# Altium PCB FMC_ADC_130M_16B_4CH.PcbDoc (part 6 of 8) (continued)
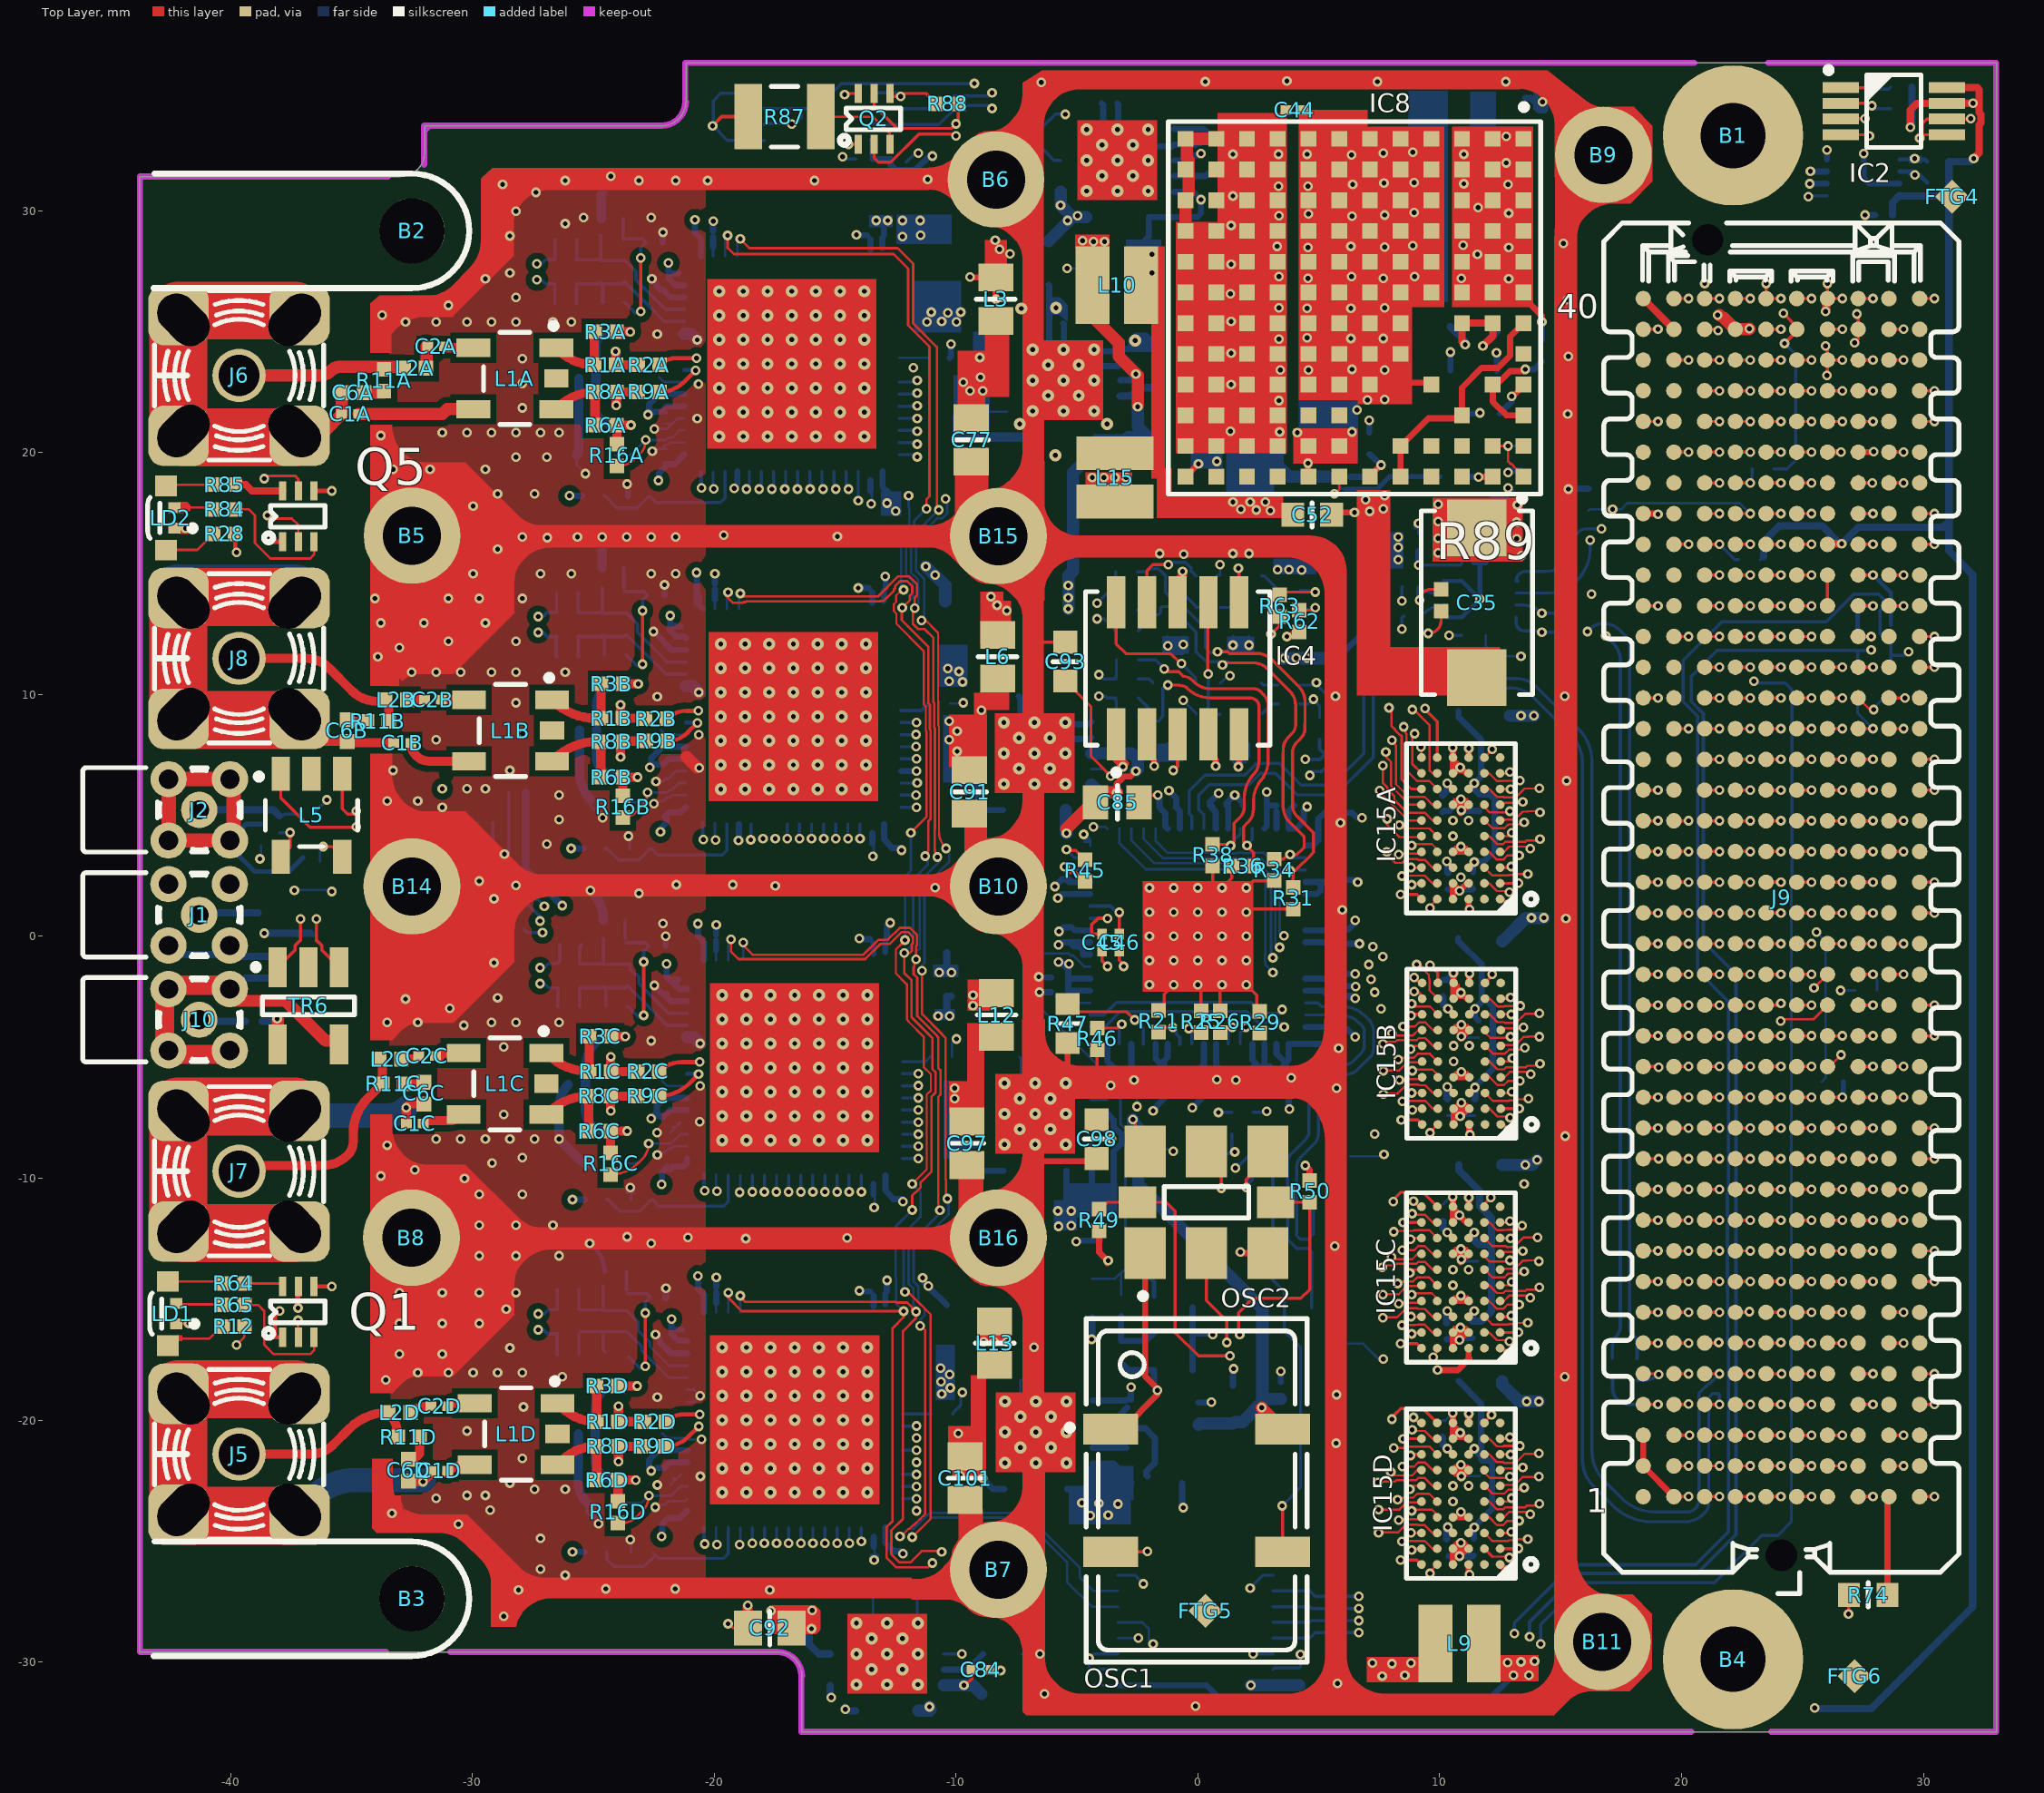
[diagram p0: Top Layer view]
## Nets (pads, with @x,y where several pads share a name; then routed paths per layer and width w, separated by ;. In a path a pad name is that pad's centre, name@x,y a point inside that pad or via, vN(x,y) a via of type N, cw(c..) or ccw(c..) an arc to the next point about the centre after c; other vN are vias at no path point) (continued)
  Top Layer w0.5: TR6.6@-38.049,-4.46 v1@-38.049,-3.429
  Bottom Layer w0.102: v1@-38.176,-3.505 v1(-38.075,-3.404)
  Bottom Layer w0.3: C48.1@-38.69,-3.505 v1@-38.176,-3.505
NetC55_2: C55.2 IC3.6 R53.1 R55.2 | length 19.8
  Bottom Layer w0.102: IC3.6@-4.45,-1.25 -4.702,-1.25 -5.162,-0.791 -5.255,-0.791 -5.337,-0.708 -6.499,-0.708 -6.996,-1.206 -6.996,-2.475 -3.826,-5.645 -3.826,-5.724 -3.805,-5.745 -3.737,-5.813 -3.483,-5.813 -3.477,-5.82 -3.461,-5.82 -3.2,-6.08 -3.2,-7.762 -2.873,-8.089 -2.873,-8.675 -2.997,-8.799 -2.997,-13.749 R55.2@-3.117,-13.868 ; C55.2@-4.369,-14.161 -3.442,-14.161 R55.2@-3.2,-13.919 ; R53.1@-3.175,-14.823 R55.2@-3.175,-13.919
NetC56_2: C56.2 R53.2 R54.2 | length 2.6
  Bottom Layer w0.254: R53.2@-3.175,-15.697 R53.2@-3.175,-15.723 -3.175,-16.728 -2.148,-16.728 C56.2@-1.778,-16.358
NetC58_2: C58.2 R55.1 | length 1.2
  Bottom Layer w0.178: R55.1@-2.217,-13.868 -1.816,-14.269 C58.2@-1.816,-14.91
NetC73_1: C73.1 IC8.A9 | length 1.6
  Top Layer w0.254: v1(12.979,22.327) 13.03,22.327 13.462,22.758 IC8.A9@13.462,22.809
  Bottom Layer w0.254: C73.1@12.484,21.615 12.979,22.111 v1(12.979,22.327)
NetC77_2: C77.2 IC6.1 IC6.3 IC6.20 L3.1 | length 2.5
  Bottom Layer w0.102: -8.966,21.692 -8.962,21.687 IC6.1@-7.913,21.687 ; -8.788,22.987 IC6.3@-7.913,22.987 ; -7.4,20.625 -7.388,20.637 IC6.20@-6.863,20.637
  other v1: -9.423,22.555 -8.89,22.555 -9.703,22.911 -8.992,23.114 -9.017,23.927
NetC78_2: C78.2 IC7.1 IC7.3 IC7.20 L7.1 | length 8
  Bottom Layer w0.127: IC7.3@-5.677,32.08 -5.944,32.08 -6.502,32.639 -6.502,33.376 -6.367,33.511 -6.367,33.521 -6.168,33.72 -6.158,33.72 -5.893,33.985 v1(-5.486,33.985) ; v1(3.759,15.164) v1@4.191,15.164 ; v1(4.293,15.138) 4.267,15.164 v1@4.191,15.164 ; L7.1@5.247,15.57 4.597,15.57 v1@4.191,15.164
  Bottom Layer w0.508: C78.2@-6.172,28.738 -5.18,29.73 ; IC7.1@-5.677,30.78 v1(-5.677,30.227) -5.18,29.73 ; IC7.20@-4.627,29.73 -5.18,29.73
  other v1: 3.302,15.164 -5.385,29.591 -4.978,29.794
NetC79_2: C79.2 IC6.14 | length 1.8
  Bottom Layer w0.305: IC6.14@-3.213,22.337 -2.765,22.337 -2.7,22.403 -2.591,22.403 -2.311,22.682 -1.892,22.682 C79.2@-1.676,22.898
NetC80_2: C80.2 IC7.14 | length 1.5
  Bottom Layer w0.254: IC7.14@-0.977,31.43 0.328,31.43 C80.2@0.457,31.56
NetC84_2: C84.2 C86.2 IC10.13 IC10.15 IC10.16 L9.2 | length 3.9
  Top Layer w0.127: v1(-9.677,-30.967) -9.626,-30.967 -9.336,-30.678 C84.2@-9.336,-30.328
  Bottom Layer w0.127: IC10.13@-10.502,-29.667 v1(-9.754,-29.667)
  Bottom Layer w0.508: IC10.16@-11.552,-32.017 -11.088,-32.017 -11.049,-31.979 -11.1,-31.928 v1(-11.1,-31.852) ; IC10.15@-10.502,-30.967 v1(-9.677,-30.967) -9.303,-30.967 C86.2@-8.952,-31.318
  other v1: 7.62,-30.582 8.56,-30.556 8.026,-30.074 7.214,-30.048 8.814,-30.048
NetC91_2: C91.2 IC9.1 IC9.3 IC9.20 L6.1 | length 6.2
  Bottom Layer w0.254: -9.957,8.915 v1(-9.957,7.645) ; IC9.3@-9.106,7.569 -9.881,7.569 v1(-9.957,7.645) ; IC9.20@-8.056,5.219 -8.75,5.219 -9.106,5.576 IC9.1@-9.106,6.269 -9.774,6.269 -9.957,6.452 v1(-9.957,7.645)
  other v1: -10.287,8.128 -9.957,8.484 -10.287,8.89 -8.948,9.347
NetC93_2: C93.2 IC9.14 | length 5.6
  Top Layer w0.12: C93.2@-5.486,10.554 -4.42,9.487 -4.42,7.442 v1(-3.607,6.629)
  Bottom Layer w0.12: IC9.14@-4.406,6.919 -3.897,6.919 v1(-3.607,6.629)
NetC94_2: C94.2 IC10.14 | length 1.9
  Bottom Layer w0.254: IC10.14@-10.502,-30.317 -9.527,-30.317 C94.2@-8.877,-29.667
NetC96_1: C96.1 IC8.F12 R80.1 | length 2.8
  Top Layer w0.254: IC8.F12@7.112,18.999 7.112,19.025 v1(7.569,19.482)
  Bottom Layer w0.254: C96.1@6.292,18.999 7.087,18.999 v1(7.569,19.482) 7.13,19.921 R80.1@7.087,19.921
NetC97_2: C97.2 IC11.1 IC11.3 IC11.20 L12.1 | length 7.1
  Top Layer w0.254: v1@-10.058,-6.375 -10.058,-6.807 -9.55,-7.315 C97.2@-9.55,-7.66
  Bottom Layer w0.254: -10.058,-7.188 -9.931,-7.315 ; IC11.1@-9.081,-8.641 -9.749,-8.641 -9.754,-8.636 ; IC11.3@-9.081,-7.341 -9.906,-7.341 -9.931,-7.315 ; IC11.20@-8.031,-9.691 -9.258,-9.691 -9.754,-9.195 -9.754,-8.636 ; -9.931,-7.315 -9.931,-8.458 -9.754,-8.636
  other v1: -10.058,-6.706 -10.058,-6.274
NetC98_2: C98.2 IC11.14 | length 2
  Top Layer w0.102: C98.2@-4.191,-7.582 -3.645,-8.128 -3.632,-8.128 -3.581,-8.179 -3.581,-8.357 v1@-3.556,-8.382
  Bottom Layer w0.102: IC11.14@-4.381,-7.991 -3.973,-7.991 v1(-3.581,-8.382)
NetC101_2: C101.2 IC12.1 IC12.3 IC12.20 L13.1 | length 3
  Bottom Layer w0.254: v1(-9.906,-20.549) -9.855,-20.498 IC12.3@-9.056,-20.498 ; v1(-9.83,-22.301) -9.83,-22.25 -9.377,-21.798 IC12.1@-9.056,-21.798 ; v1(-8.89,-22.403) -8.89,-22.428 -8.47,-22.848 IC12.20@-8.006,-22.848
NetC102_2: C102.2 IC12.14 | length 1.4
  Bottom Layer w0.254: IC12.14@-4.356,-21.148 -2.961,-21.148 C102.2@-2.946,-21.133
NetIC1A_40: IC1A.40 R10A.2 | length 1.2
  Bottom Layer w0.102: IC1A.40@-12.344,23.916 -11.169,23.916 R10A.2@-11.166,23.913
NetIC1A_62: IC1A.62 R13A.2 R14A.1 | length 13.4
  Bottom Layer w0.102: R14A.1@-22.664,18.186 R14A.1@-22.639,18.161
  Bottom Layer w0.127: R13A.2@-24.528,18.212 -24.033,17.717 ; R13A.2@-24.528,18.212 R13A.2@-24.569,18.212 R13A.2@-24.528,18.212 ; R13A.2@-24.528,18.212 -24.033,17.717 ; -24.033,17.717 -23.194,17.717 ; -24.033,17.717 -23.194,17.717 ; -23.194,17.717 R14A.1@-22.725,18.186 ; -23.194,17.717 R14A.1@-22.725,18.186 ; R14A.1@-22.725,18.186 R14A.1@-22.664,18.186 ; R14A.1@-22.664,18.186 R14A.1@-22.41,17.932 ; R14A.1@-22.664,18.186 R14A.1@-22.41,17.932 ; R14A.1@-22.41,17.932 -19.736,17.932 ; R14A.1@-22.41,17.932 -19.736,17.932 ; -19.736,17.932 -19.544,18.124 ; -19.736,17.932 -19.544,18.124 ; -19.546,18.364 -19.544,18.362 ; -19.546,18.364 -19.546,18.67 ; -19.546,18.364 -19.546,18.67 ; -19.546,18.364 -19.544,18.362 ; -19.546,18.67 -19.544,18.671 ; -19.546,18.67 -19.544,18.671 ; -19.544,18.124 -19.544,18.362 ; -19.544,18.124 -19.544,18.362 ; -19.544,18.671 IC1A.62@-19.544,19.216 -19.544,18.671
NetIC1B_40: IC1B.40 R10B.2 | length 1.3
  Bottom Layer w0.162: IC1B.40@-12.275,9.336 -11.434,9.336 R10B.2@-11.143,9.627
NetIC1B_62: IC1B.62 R13B.2 R14B.1 | length 6.7
  Bottom Layer w0.102: R14B.1@-22.595,3.607 R14B.1@-22.57,3.581
  Bottom Layer w0.127: R13B.2@-24.496,3.643 -24.455,3.643 -23.96,3.149 -23.121,3.149 R14B.1@-22.651,3.618 ; R14B.1@-22.591,3.618 -22.337,3.364 -19.663,3.364 -19.471,3.555 -19.471,3.793 -19.473,3.795 -19.473,4.101 -19.471,4.103 IC1B.62@-19.471,4.647
NetIC1C_40: IC1C.40 R10C.2 | length 1.2
  Bottom Layer w0.102: IC1C.40@-12.223,-5.182 -11.27,-5.182 R10C.2@-11.067,-4.978
NetIC1C_62: IC1C.62 R13C.2 R14C.1 | length 6.7
  Bottom Layer w0.102: R14C.1@-22.542,-10.911 R14C.1@-22.517,-10.937
  Bottom Layer w0.127: R13C.2@-24.443,-10.875 -24.402,-10.875 -23.907,-11.369 -23.068,-11.369 R14C.1@-22.599,-10.9 ; R14C.1@-22.538,-10.9 -22.284,-11.154 -19.61,-11.154 -19.418,-10.963 -19.418,-10.725 -19.42,-10.723 -19.42,-10.417 -19.418,-10.415 IC1C.62@-19.418,-9.871
NetIC1D_40: IC1D.40 R10D.2 | length 1.2
  Bottom Layer w0.127: IC1D.40@-12.22,-19.747 -11.044,-19.747 R10D.2@-11.041,-19.75
NetIC1D_62: IC1D.62 R13D.2 R14D.1 | length 7.8
  Bottom Layer w0.102: R14D.1@-22.539,-25.476 R14D.1@-22.514,-25.502 ; -19.42,-25.287 IC1D.62@-19.42,-24.447
  Bottom Layer w0.127: R13D.2@-24.44,-25.44 -24.44,-25.76 -24.15,-26.05 -22.9,-26.05 -22.425,-25.575 -22.281,-25.719 -19.607,-25.719 -19.416,-25.528 -19.416,-25.29 -19.417,-25.288 -19.417,-24.982 -19.416,-24.98 IC1D.62@-19.416,-24.436
NetIC2_1: IC2.1 IC13.1 R4.1 R35.1 R39.1 | length 174.9
  Top Layer w0.135: IC2.1@26.578,35.087 27.778,35.087 v1(27.838,35.027)
  L5 w0.135: v1(-27.102,0.152) -29.21,0.152 -31.441,-2.079 -32.94,-2.079 -34.798,-3.937 -34.798,-5.969 -34.417,-6.35 -34.417,-10.541 -34.798,-10.922 -34.798,-21.517 -32.119,-24.196 -31.283,-24.196 -31.039,-23.952 -30.353,-23.952 -29.185,-25.121 -29.185,-28.27 -28.947,-28.508 -20.507,-28.508 -19.866,-27.867 -19.201,-27.867 -18.62,-28.448 -16.383,-28.448 -16.217,-28.282 -15.834,-28.282 -15.494,-28.622 -15.494,-28.934 -13.033,-31.394 -11.428,-31.394 -11.33,-31.296 -10.322,-31.296 -9.799,-31.819 -1.739,-31.819 -1.19,-31.271 0.682,-31.271 1.231,-31.819 9.611,-31.819 12.475,-28.956 12.954,-28.956 v1(13.081,-28.829)
  L3 w0.135: v1(27.838,35.027) 28.499,35.027 30.225,33.3 30.225,32.075 31.5,30.8 31.5,12.882 30.378,11.76 v1(29.388,11.76)
  Bottom Layer w0.135: IC13.1@-27.854,0.289 -27.717,0.152 v1(-27.102,0.152) ; v1(13.081,-28.829) 13.081,-28.397 15.494,-25.984 20.574,-25.984 21.946,-24.613 21.946,-23.292 21.934,-23.28 21.934,-16.879 21.908,-16.854 21.908,-15.723 21.934,-15.698 21.934,-15.392 21.908,-15.366 21.908,-14.695 21.895,-14.681 21.895,-14.467 21.934,-14.428 21.934,-14.122 21.895,-14.083 21.895,-13.197 21.934,-13.158 21.934,-12.852 21.895,-12.813 21.895,-11.927 21.934,-11.888 21.934,-11.582 21.895,-11.543 21.895,-10.657 21.934,-10.618 21.934,-2.692 20.664,-1.422 20.664,9.105 20.066,9.703 20.066,11.405 21.666,13.005 25.984,13.005 27.127,14.148 28.143,14.148 28.346,13.945 28.346,13.614 28.258,13.526 28.258,13.523 28.207,13.472 28.207,12.511 28.651,12.067 R39.1@28.651,11.971 28.651,11.608 ; v1(27.838,35.027) 28.557,35.027 R4.1@28.633,35.103 ; R35.1@28.626,11.016 28.651,11.042 28.651,11.608 ; v1(29.388,11.76) 29.235,11.608 28.651,11.608
NetIC2_2: IC2.2 IC13.2 R32.1 R37.1 R42.1 | length 171.7
  Top Layer w0.135: IC2.2@26.578,34.437 27.767,34.437 v1(27.864,34.341)
  L5 w0.135: v1(-27.203,0.635) -27.474,0.364 -29.405,0.364 -31.636,-1.867 -33.236,-1.867 -35.179,-3.81 -35.179,-5.969 -35.56,-6.35 -35.56,-10.541 -35.179,-10.922 -35.179,-21.463 -32.234,-24.408 -30.968,-24.408 -29.519,-25.857 -29.519,-28.317 -29.117,-28.719 -20.337,-28.719 -19.697,-28.079 -19.289,-28.079 -18.648,-28.719 -16.369,-28.719 -14.732,-30.357 -14.732,-30.949 -13.905,-31.775 -11.51,-31.775 -11.242,-31.508 -10.41,-31.508 -9.886,-32.031 -1.651,-32.031 -1.102,-31.482 0.594,-31.482 1.143,-32.031 9.699,-32.031 12.52,-29.21 13.462,-29.21 v1(13.716,-28.956)
  L3 w0.135: v1(27.838,11.836) 28.854,11.836 31.14,14.122 31.14,30.86 30.013,31.987 30.013,32.382 29.833,32.563 29.439,32.563 27.864,34.138 v1(27.864,34.341)
  Bottom Layer w0.135: IC13.2@-28.504,0.289 -28.504,1.036 -28.265,1.275 -27.661,1.275 -27.203,0.817 v1(-27.203,0.635) ; v1(13.716,-28.956) 13.716,-28.346 15.723,-26.34 20.65,-26.34 22.25,-24.74 22.25,-1.575 20.901,-0.225 20.901,9.203 20.399,9.705 20.399,10.747 21.47,11.818 R42.1@27.254,11.818 ; R37.1@27.28,10.915 27.28,11.793 R42.1@27.254,11.818 ; v1(27.838,11.836) 27.82,11.818 R42.1@27.254,11.818 ; v1(27.864,34.341) 27.991,34.214 R32.1@28.633,34.214
NetIC3_17: IC3.17 R19.2 | length 40.6
  L5 w0.102: v1(7.239,-0.432) 7.925,0.254 16.078,0.254 17.145,-0.813 24.13,-0.813 25.121,0.178 v1(25.578,0.178)
  L3 w0.102: v1(-4.318,4.521) -4.318,4.039 -2.896,2.616 2.258,2.616 5.535,-0.66 7.01,-0.66 v1(7.239,-0.432)
  Bottom Layer w0.102: v1(-4.318,4.521) -3.81,4.521 IC3.17@-3.759,4.47 ; IC3.17@-3.759,4.45 IC3.17@-3.75,4.45 ; v1(25.578,0.178) 25.95,-0.194 25.95,-5.858 R19.2@25.788,-6.02
NetIC3_20: IC3.20 R7.2 | length 37.4
  L5 w0.102: v1(7.163,-1.778) 7.188,-1.753 7.522,-1.753 8.36,-0.915 8.36,-0.606 8.585,-0.381 15.494,-0.381 17.463,-2.35 25.15,-2.35 25.3,-2.5 25.65,-2.5 25.915,-2.235 v1(26.568,-2.235)
  L3 w0.102: v1(3.378,-0.457) 3.378,-0.706 3.426,-0.754 3.426,-0.759 5.613,-2.946 6.706,-2.946 6.985,-2.667 6.985,-1.956 v1(7.163,-1.778)
  Bottom Layer w0.102: IC3.20@-2.25,4.45 -2.25,4.028 -1.448,3.226 2.616,3.226 3.2,2.642 3.2,-0.432 3.302,-0.533 v1(3.378,-0.457) ; v1(26.568,-2.235) R7.2@27.185,-2.235
NetIC3_61: IC3.61 R47.2 | length 4.2
  Top Layer w0.127: R47.2@-5.385,-2.807 -5.072,-3.119 -2.952,-3.119 v1(-2.616,-3.454)
  Bottom Layer w0.127: v1(-2.616,-3.454) -2.25,-3.821 IC3.61@-2.25,-4.45 ; IC3.61@-2.261,-4.47 IC3.61@-2.261,-4.45
NetIC3_63: IC3.63 R46.2 | length 1.9
  Top Layer w0.127: R46.2@-4.166,-3.792 -3.309,-3.792 v1(-3.15,-3.632)
  Bottom Layer w0.127: IC3.63@-3.251,-4.242 -3.251,-3.734 v1(-3.15,-3.632) ; IC3.63@-3.25,-4.45 IC3.63@-3.25,-4.242
NetIC8_A7: IC8.A7 IC8.C10 IC8.E11 IC8.E12 | length 9.6
  Top Layer w0.254: IC8.E12@8.382,18.999 IC8.E11@8.382,20.269 9.525,21.412 10.795,21.412 IC8.C10@10.922,21.539 10.922,22.682 11.735,23.495 12.4,23.495 12.908,24.003 12.908,24.796 IC8.A7@13.462,25.349
NetIC8_A10: IC8.A10 IC8.B9 R79.2 | length 4.6
  Top Layer w0.254: IC8.A10@13.462,21.539 12.751,21.539 12.192,22.098 IC8.B9@12.192,22.809 12.355,22.809 12.908,23.363 13.152,23.363 13.157,23.368 13.462,23.368 v1(13.538,23.444)
  Bottom Layer w0.254: v1(13.538,23.444) 13.912,23.444 R79.2@14.224,23.756
NetIC8_A12: IC8.A12 IC8.B11 R83.1 | length 2.8
  Top Layer w0.102: IC8.B11@12.192,20.269 v1(12.827,20.269) 12.827,19.634 12.932,19.529 12.973,19.529 13.179,19.323 13.179,19.282 IC8.A12@13.462,18.999
  Bottom Layer w0.102: v1(12.827,20.269) 13.252,20.269 R83.1@13.36,20.16
NetIC8_B12: IC8.B12 R81.2 R82.2 | length 1.9
  Top Layer w0.254: v1(11.608,18.992) 12.185,18.992 IC8.B12@12.192,18.999
  Bottom Layer w0.254: R81.2@10.915,18.999 10.922,18.992 v1(11.608,18.992) R82.2@12.192,18.992
NetJ5_1: J5.1 L2D.1 R11D.2 | length 7.8
  Top Layer w0.381: J5.1@-39.647,-21.411 -36.703,-21.411 ccw(c-36.703,-20.059) -35.747,-21.015 -35.08,-20.348 cw(c-33.48,-21.947) L2D.1@-33.48,-19.685 cw(c-34.424,-20.629) R11D.2@-33.089,-20.629
NetJ6_1: J6.1 L2A.1 R11A.2 | length 6.9
  Top Layer w0.508: J6.1@-39.647,23.189 -36.297,23.189 ccw(c-36.297,23.8) -35.865,23.368 cw(c-35.436,22.939) -35.436,23.546 L2A.1@-32.82,23.546
NetJ7_1: J7.1 L2C.1 R11C.2 | length 9.3
  Top Layer w0.381: J7.1@-39.647,-9.711 cw(c-39.075,-10.283) -39.075,-9.474 -36.196,-9.474 ccw(c-36.196,-8) -35.154,-9.042 ccw(c-35.705,-8.491) -34.925,-8.491 -34.925,-8.128 cw(c-32.919,-8.128) -34.337,-6.709 R11C.2@-33.724,-6.096 -33.724,-5.217 L2C.1@-33.861,-5.08 L2C.1@-33.861,-5.184
NetJ8_1: J8.1 L2B.1 R11B.2 | length 7.3
  Top Layer w0.381: J8.1@-39.647,11.489 -36.864,11.489 cw(c-36.864,10.193) -35.948,11.11 -34.998,10.16 ccw(c-33.929,11.23) -33.929,9.717 ; L2B.1@-33.607,9.779 -33.459,9.631 R11B.2@-33.459,8.89
NetJ10_2: J10.2 R40.2 TR6.4 | length 18.3
  Top Layer w0.102: TR6.4@-35.712,-4.318 -35.712,-4.663 TR6.4@-35.509,-4.46
  Top Layer w0.5: J10.2@-39.751,-2.667 -37.719,-2.667 -36.068,-4.318 TR6.4@-35.712,-4.318
  Top Layer w0.8: J10.2@-40.027,-4.881 -42.725,-4.881 -42.725,-2.025 -40.343,-2.025 J10.2@-40.027,-2.341
  Bottom Layer w0.3: J10.2@-40.027,-2.341 -39.411,-1.725 R40.2@-38.4,-1.725
  Bottom Layer w0.302: J10.2@-42.567,-2.341 -42.376,-2.15 -40.218,-2.15 J10.2@-40.027,-2.341
NetL1A_1: L1A.1 R1A.1 R3A.2 | length 3.2
  Top Layer w0.381: L1A.1@-26.53,24.333 -26.425,24.228 ccw(c-24.961,25.693) R1A.1@-24.961,23.622 -24.961,24.932 cw(c-24.874,24.932) R3A.2@-24.936,24.994
NetL1A_3: L1A.3 R6A.1 R8A.1 | length 3.2
  Top Layer w0.381: L1A.3@-26.53,21.793 -26.443,21.88 cw(c-24.936,20.373) R8A.1@-24.936,22.504 R6A.1@-24.936,21.133
NetL1B_1: L1B.1 R1B.1 R3B.2 | length 3.4
  Top Layer w0.381: L1B.1@-26.708,9.779 -26.685,9.756 ccw(c-24.889,11.553) R1B.1@-24.889,9.013 ; R1B.1@-24.682,9.02 R3B.2@-24.682,10.439
NetL1B_3: L1B.3 R6B.1 R8B.1 | length 3.5
  Top Layer w0.381: L1B.3@-26.708,7.239 -26.643,7.303 cw(c-24.847,5.507) R8B.1@-24.847,8.047 ; R6B.1@-24.689,6.586 R8B.1@-24.689,8.047
NetL1C_1: L1C.1 R1C.1 R3C.2 | length 3.4
  Top Layer w0.381: L1C.1@-26.936,-4.826 -26.888,-4.874 ccw(c-25.164,-3.15) R1C.1@-25.164,-5.588 R3C.2@-25.164,-4.14
NetL1C_3: L1C.3 R6C.1 R8C.1 | length 3.4
  Top Layer w0.381: L1C.3@-26.936,-7.366 -26.87,-7.3 cw(c-25.19,-8.981) R8C.1@-25.19,-6.604 R6C.1@-25.19,-8.052
NetL1D_1: L1D.1 R1D.1 R3D.2 | length 3.3
  Top Layer w0.381: L1D.1@-26.479,-19.304 -26.323,-19.46 ccw(c-24.859,-17.995) R1D.1@-24.859,-20.066 -24.859,-18.654 ccw(c-24.946,-18.654) R3D.2@-24.885,-18.593
NetL1D_3: L1D.3 R6D.1 R8D.1 | length 3.5
  Top Layer w0.127: L1D.3@-26.107,-21.869 L1D.3@-25.872,-21.869
  Top Layer w0.381: L1D.3@-26.479,-21.844 -26.323,-21.688 cw(c-24.859,-23.152) R8D.1@-24.859,-21.082 -24.859,-22.418 cw(c-24.946,-22.418) R6D.1@-24.885,-22.479
NETLABEL49: C43.2 J2.2 R24.2 | length 15.5
  Top Layer w0.145: J2.2@-42.564,6.42 -42.596,6.452 J2.2@-42.545,6.502 ; J2.2@-42.215,3.988 J2.2@-42.189,3.962 ; J2.2@-40.056,3.962 J2.2@-39.878,4.14
  Top Layer w0.6: J2.2@-42.564,3.958 J2.2@-42.564,6.42 ; J2.2@-42.545,6.502 -39.878,6.502 J2.2@-39.878,4.14 ; J2.2@-42.189,3.962 J2.2@-40.056,3.962
  Bottom Layer w0.127: J2.2@-40.024,3.958 -40.019,3.958 J2.2@-40.019,3.694
  Bottom Layer w0.2: J2.2@-40.024,3.958 -39.341,4.64 R24.2@-38.735,4.64 ; J2.2@-40.019,3.694 -39,2.675 -37.578,2.675 C43.2@-37.002,3.251
NetLD1_1: LD1.1 R12.2 | length 2.5
  Top Layer w0.102: LD1.1@-42.596,-16.921 -42.422,-16.921 -42.139,-16.637 -40.894,-16.637 R12.2@-40.386,-16.129
NetLD1_3: LD1.3 R65.2 | length 1.9
  Top Layer w0.102: LD1.3@-42.246,-15.171 -42.202,-15.215 R65.2@-40.328,-15.215
NetLD1_4: LD1.4 R64.2 | length 2.3
  Top Layer w0.102: LD1.4@-42.596,-14.271 R64.2@-40.328,-14.271
NetLD2_1: LD2.1 R28.2 | length 2.2
  Top Layer w0.102: LD2.1@-42.672,15.972 -41.374,15.972 R28.2@-40.709,16.637
NetLD2_3: LD2.3 R84.2 | length 1.6
  Top Layer w0.102: LD2.3@-42.322,17.722 -41.891,17.722 -41.885,17.729 -41.097,17.729 -41.021,17.653 R84.2@-40.709,17.653
NetLD2_4: LD2.4 R85.2 | length 1.8
  Top Layer w0.102: LD2.4@-42.473,18.669 R85.2@-40.709,18.669
NetOSC1_3: OSC1.3 R51.1 | length 16.4
  Top Layer w0.127: v1(3.48,-23.546) 3.504,-23.57 OSC1.3@3.504,-25.451
  Bottom Layer w0.127: v1(3.48,-23.546) 4.242,-22.784 4.242,-16.993 3.581,-16.332
  Bottom Layer w0.135: R51.1@3.099,-9.899 3.099,-14.216 3.581,-14.699 3.581,-16.332
NetOSC2_4: OSC2.4 R72.1 | length 2.5
  Top Layer w0.135: v1(2.007,-10.389) 2.007,-10.058 2.896,-9.169 OSC2.4@2.896,-8.898
  Bottom Layer w0.135: v1(2.007,-10.389) 2.007,-10.312 2.235,-10.084 R72.1@2.235,-9.873
NetOSC2_5: OSC2.5 R73.1 | length 2.3
  Top Layer w0.135: OSC2.5@0.356,-8.898 0.356,-9.373 0.965,-9.982 v1(0.965,-10.414)
  Bottom Layer w0.135: v1(0.965,-10.414) R73.1@0.965,-9.873
NetQ1_3: Q1.3 R65.1 | length 5.1
  Top Layer w0.102: R65.1@-39.428,-15.24 -38.862,-15.24 -38.608,-15.494 -38.608,-16.891 -38.227,-17.272 -36.703,-17.272 -36.546,-17.115 Q1.3@-36.546,-16.578
NetQ1_6: Q1.6 R64.1 | length 1.6
  Top Layer w0.102: R64.1@-39.428,-14.351 -37.973,-14.351 Q1.6@-37.846,-14.478
NetQ2_3: Q2.3 R87.1 | length 3.6
  Top Layer w0.102: R87.1@-15.594,33.884 -13.437,33.884 -12.739,33.186 Q2.3@-12.739,32.747
NetQ2_6: Q2.6 R12.1 | length 79.2
  Top Layer w0.102: v1(-39.751,-16.891) -39.428,-16.568 R12.1@-39.428,-16.129 ; v1(-14.605,34.798) -14.654,34.847 Q2.6@-14.039,34.847
  L3 w0.102: v1@-39.901,-16.868 -40.513,-16.256 -40.513,-10.922 -41.148,-10.287 -41.148,-8.763 -37.719,-5.334 -37.719,0.762 -38.227,1.27 -38.227,6.502 -40.513,8.788 -40.513,10.033 -41.275,10.795 -41.275,12.192 -40.386,13.081 -40.386,21.336 -41.656,22.606 -41.656,23.622 -40.513,24.765 -40.513,26.035 -38.735,27.813 -37.338,27.813 -33.991,31.16 -32.344,31.16 -30.458,33.045 -21.692,33.045 -19.431,35.306 -15.113,35.306 v1(-14.605,34.798)
NetQ5_3: Q5.3 R84.1 | length 5.4
  Top Layer w0.102: R84.1@-39.809,17.653 -39.243,17.653 -38.989,17.399 -38.989,16.256 -38.354,15.621 -36.703,15.621 -36.546,15.778 Q5.3@-36.546,16.315
NetQ5_6: Q5.6 R85.1 | length 2.1
  Top Layer w0.3: R85.1@-39.809,18.669 -39.37,18.669 -39.116,18.415 Q5.6@-37.846,18.415
P1V8: C21A.2 C21B.2 C21C.2 C21D.2 C22A.2 C22B.2 C22C.2 C22D.2 C92.2 IC10.1 IC10.3 IC10.20 IC15A.A3 IC15A.C4 IC15A.H4 IC15A.K3 IC15B.A3 IC15B.C4 IC15B.H4 IC15B.K3 IC15C.A3 IC15C.C4 IC15C.H4 IC15C.K3 IC15D.A3 IC15D.C4 IC15D.H4 IC15D.K3 L4A.1 L4B.1 L4C.1 L4D.1 | length 17.5
  Top Layer w0.254: v1(9.906,-17.932) 10.744,-17.932 11.227,-17.45 11.196,-17.419 IC15C.A3@11.196,-17.028 ; IC15D.A3@11.196,-25.968 11.196,-26.36 v1(11.227,-26.391) ; IC15D.K3@11.196,-20.118 11.196,-19.921 11.195,-19.919 11.201,-19.913 v1(11.201,-19.736) ; IC15C.K3@11.196,-11.178 11.196,-10.98 11.195,-10.979 11.201,-10.972 v1(11.201,-10.795) ; IC15A.A3@11.196,1.54 11.196,1.148 v1(11.227,1.118) ; IC15A.K3@11.196,7.39 11.196,7.588 11.195,7.589 11.201,7.595 v1(11.201,7.772) ; IC15B.A3@11.222,-7.778 11.222,-8.17 v1(11.253,-8.2) ; IC15B.K3@11.222,-1.928 11.222,-1.73 11.221,-1.729 11.227,-1.723 v1(11.227,-1.545)
  Top Layer w0.305: v1(-15.977,-28.626) -16.002,-28.6 C92.2@-16.688,-28.6 ; v1(-15.951,-27.864) C92.2@-16.688,-28.6 ; C92.2@-16.804,-28.6 -17.591,-27.813 -17.653,-27.813 v1(-17.653,-27.889) -17.653,-28.448 -17.501,-28.6 C92.2@-16.804,-28.6 ; C92.2@-16.804,-28.6 C92.2@-16.688,-28.6
  Bottom Layer w0.305: v1(-15.977,-28.626) -16.078,-28.626 -16.078,-29.261 -15.672,-29.667 IC10.3@-15.202,-29.667 ; IC10.1@-15.202,-30.967 -15.202,-31.432 v1(-15.164,-31.471) ; v1@-14.605,-31.877 -14.465,-32.017 IC10.20@-14.152,-32.017 ; v1(-14.58,-31.953) v1@-14.58,-31.902 ; v1@-10.592,-3.327 -10.391,-3.126 L4C.1@-10.391,-2.478 L4C.1@-10.197,-2.478 ; C22D.2@10.109,-20.721 10.109,-20.98 v1(10.312,-21.184) ; C22A.2@10.109,5.836 10.312,6.04 v1(10.312,6.325) ; C22C.2@10.135,-11.78 10.135,-12.065 v1@10.236,-12.167 ; C22B.2@10.135,-2.509 10.135,-2.789 v1(10.338,-2.993) ; C21B.2@10.281,-6.68 C21B.2@10.312,-6.711 v1(10.313,-6.219) ; C21D.2@10.287,-24.917 v1@10.287,-24.46 ; C21C.2@10.287,-15.982 10.287,-15.57 v1@10.338,-15.519 ; v1(10.287,3.099) 10.338,3.048 C21A.2@10.338,2.636
  other v1: 10.325,-24.425 -10.592,-18.923 -10.236,-18.669 -10.617,-18.415 -10.262,-18.11 -10.643,-17.856 10.312,-15.494 10.312,-12.243 -10.744,-3.302 -10.262,-3.302 -9.728,10.516 -10.287,10.541 -9.881,10.947 -10.338,11.074 -11.201,25.4 -9.982,25.4 -10.592,25.425 -10.338,25.781 -11.024,25.806 -9.804,25.806
P3V3: C37.2 C103.1 C104.1 D1.2 IC14.1 IC17.8 J9.c39 J9.d36 J9.d38 J9.d40 L9.1 LD1.2 LD2.2 R74.1 | length 31.8
  Top Layer w0.102: LD2.2@-42.322,16.872 -41.866,16.872 v1(-41.859,16.866) ; LD1.2@-42.246,-16.021 -41.751,-16.021 v1(-41.732,-16.002)
  Top Layer w0.127: v1(25.959,24.409) 26.033,24.335 J9.d38@26.033,23.825 ; v1(25.959,25.832) 26.033,25.906 J9.d40@26.033,26.365 ; v1(26.01,23.19) 26.033,23.214 J9.d38@26.033,23.825 ; J9.d36@26.033,21.285 v1(26.645,21.285) ; v1(26.033,26.987) J9.d40@26.033,26.365 ; v1(26.645,23.825) J9.d38@26.033,23.825 ; v1(26.645,26.365) J9.d40@26.033,26.365 ; v1(26.899,-28.016) 26.911,-28.003 R74.1@26.911,-27.229 ; v1(27.153,24.536) 27.303,24.687 J9.c39@27.303,25.095 27.303,25.681 v1(27.254,25.73)
  Bottom Layer w0.102: v1@-38.659,0.127 v1(-38.608,0.127) ; D1.2@-36.681,0.127 D1.2@-36.569,0.015 ; C37.2@-4.496,-30.982 -4.476,-30.963 IC14.1@-3.302,-30.963
  Bottom Layer w0.127: v1@-11.105,32.258 v1(-10.973,32.258)
  Bottom Layer w0.254: IC17.8@-13.481,32.911 -13.44,32.871 C103.1@-13.44,32.134 -12.723,32.134 C104.1@-12.713,32.124 -12.713,31.897 -12.504,31.689 -11.675,31.689 v1@-11.105,32.258 ; IC14.1@-3.302,-30.963 0.356,-30.963 1.118,-31.725 11.862,-31.725 v1@13.106,-30.48
  Bottom Layer w0.3: v1@-38.659,0.127 D1.2@-36.681,0.127
  other v1: 13.056,-30.556 13.691,-30.556 12.802,-30.023 13.36,-29.997 13.919,-29.972
P3V3_ADC1: C14A.2 C15A.2 C16A.2 C17A.2 C18A.2 IC1A.1 IC1A.5 IC1A.6 IC1A.15 IC1A.16 IC1A.17 L3.2 R13A.1 | length 13.4
  Top Layer w0.254: v1(-9.423,27.254) -9.409,27.24 L3.2@-8.357,27.24 ; v1(-8.382,28.778) -8.357,28.753 -8.357,28.219 ; v1(-8.357,26.34) L3.2@-8.357,27.24 ; v1(-7.772,28.219) -8.357,28.219 ; L3.2@-8.357,27.24 -8.357,28.219
  Bottom Layer w0.254: v1(-25.984,18.212) R13A.1@-25.469,18.212 ; v1(-22.301,18.847) -22.276,18.872 -22.276,19.157 C14A.2@-21.971,19.462 -22.029,19.52 -21.628,19.52 -21.59,19.558 -21.59,19.57 IC1A.1@-21.244,19.916 ; C18A.2@-22.047,21.686 C18A.2@-22.182,21.686 ; C16A.2@-21.896,27.223 -21.589,26.916 IC1A.15@-21.244,26.916 ; v1(-21.892,27.838) -21.892,27.408 IC1A.16@-21.462,27.408 ; IC1A.5@-21.244,21.916 -21.952,21.916 C18A.2@-22.182,21.686 ; IC1A.6@-21.244,22.416 -22.269,22.416 C17A.2@-22.273,22.413 -22.689,21.996 -22.689,21.703 ccw(c-22.493,21.703) -22.631,21.565 -22.51,21.686 C18A.2@-22.182,21.686 ; v1(-20.8,29.616) -20.795,29.611 -20.795,29.083 -20.548,28.837 -20.548,28.12 IC1A.17@-20.544,28.116
  other v1: -22.733,21.565 -8.204,28.397
P3V3_ADC2: C14B.2 C15B.2 C16B.2 C17B.2 C18B.2 IC1B.1 IC1B.5 IC1B.6 IC1B.15 IC1B.16 IC1B.17 L6.2 R13B.1 | length 8.9
  Bottom Layer w0.254: v1(-25.915,3.632) R13B.1@-25.4,3.632 ; v1@-22.606,7.087 -22.606,7.366 -22.204,7.768 C17B.2@-22.204,7.833 -22.2,7.836 IC1B.6@-21.175,7.836 ; -22.441,7.106 -22.113,7.106 -21.883,7.336 IC1B.5@-21.175,7.336 ; v1(-22.225,4.318) -22.225,4.445 -21.971,4.699 C14B.2@-21.971,4.857 -22.051,4.937 -21.859,5.129 -21.383,5.129 IC1B.1@-21.175,5.336 ; v1(-21.823,13.259) -21.823,12.828 IC1B.16@-21.393,12.828 ; IC1B.15@-21.175,12.336 -21.236,12.397 -21.581,12.397 C16B.2@-21.827,12.644 ; v1(-20.731,15.037) -20.726,15.031 -20.726,13.787 IC1B.17@-20.475,13.536 ; C16B.2@-21.827,12.644 -21.827,12.652 C16B.2@-21.844,12.669 -21.844,12.66 C16B.2@-21.827,12.644
  other v1: -22.664,6.985 -7.899,13.462 -8.306,13.691 -8.56,14.046
P3V3_ADC3: C14C.2 C15C.2 C16C.2 C17C.2 C18C.2 IC1C.1 IC1C.5 IC1C.6 IC1C.15 IC1C.16 IC1C.17 L12.2 R13C.1 | length 9.2
  Bottom Layer w0.254: v1(-25.862,-10.886) R13C.1@-25.347,-10.886 ; v1@-22.504,-7.417 -22.377,-7.29 -22.377,-7.01 -22.151,-6.784 C17C.2@-22.151,-6.685 -22.147,-6.682 IC1C.6@-21.123,-6.682 ; -22.388,-7.412 C18C.2@-22.061,-7.412 ; v1(-22.179,-10.251) -22.154,-10.225 -22.154,-9.737 C14C.2@-21.954,-9.537 ; -22.151,-7.502 C18C.2@-22.061,-7.412 ; v1(-21.971,-1.143) C16C.2@-21.971,-1.682 -21.844,-1.809 C16C.2@-21.813,-1.809 ; C14C.2@-21.844,-9.646 C14C.2@-21.725,-9.528 ; C14C.2@-21.691,-9.525 -21.285,-9.525 -21.123,-9.362 IC1C.1@-21.123,-9.182 ; -21.495,-1.809 C16C.2@-21.813,-1.809 ; IC1C.5@-21.123,-7.182 -21.831,-7.182 C18C.2@-22.061,-7.412 ; IC1C.15@-21.123,-2.182 -21.43,-2.182 -21.512,-2.099 -21.523,-2.099 C16C.2@-21.813,-1.809 ; v1(-20.678,0.519) -20.673,0.513 -20.673,-0.015 -20.426,-0.261 -20.426,-0.978 IC1C.17@-20.423,-0.982
  other v1: -22.611,-7.533 -9.296,-2.87 -9.296,-2.438
P3V3_ADC4: C14D.2 C15D.2 C16D.2 C17D.2 C18D.2 IC1D.1 IC1D.5 IC1D.6 IC1D.15 IC1D.16 IC1D.17 L13.2 R13D.1 | length 10
  Top Layer w0.254: v1(-8.433,-16.764) -8.407,-16.739 L13.2@-8.407,-15.915
  Bottom Layer w0.254: v1(-25.86,-25.451) R13D.1@-25.344,-25.451 ; v1(-22.608,-22.098) -22.688,-22.019 -22.688,-21.648 -22.29,-21.25 C17D.2@-22.148,-21.25 -22.145,-21.247 IC1D.6@-21.12,-21.247 ; -22.385,-21.977 -22.058,-21.977 -21.828,-21.747 IC1D.5@-21.12,-21.747 ; v1(-22.177,-24.816) -22.151,-24.79 -22.151,-24.302 -21.905,-24.056 -21.429,-24.056 IC1D.1@-21.12,-23.747 ; C16D.2@-21.772,-16.439 C16D.2@-21.768,-16.439 -21.768,-16.443 -21.5,-16.711 -21.155,-16.711 IC1D.15@-21.12,-16.747 ; v1(-21.768,-15.824) -21.768,-16.255 IC1D.16@-21.337,-16.255 ; v1(-20.676,-14.046) -20.67,-14.052 -20.67,-14.58 -20.424,-14.826 -20.424,-15.543 IC1D.17@-20.42,-15.547
  other v1: -8.865,-16.764 -7.899,-16.764